# Altium PCB PLD.PcbDoc (part 1 of 2)
Units mil, origin at the board's own origin, x right, y up, seen from the top; angles counter-clockwise.
Board outline 3553.1 x 3718.04 mil, 2 copper layers (Component Side, Bottom Layer), stack 61.8 mil thick; 154 components, 152 nets, 633 pads, 368 vias.
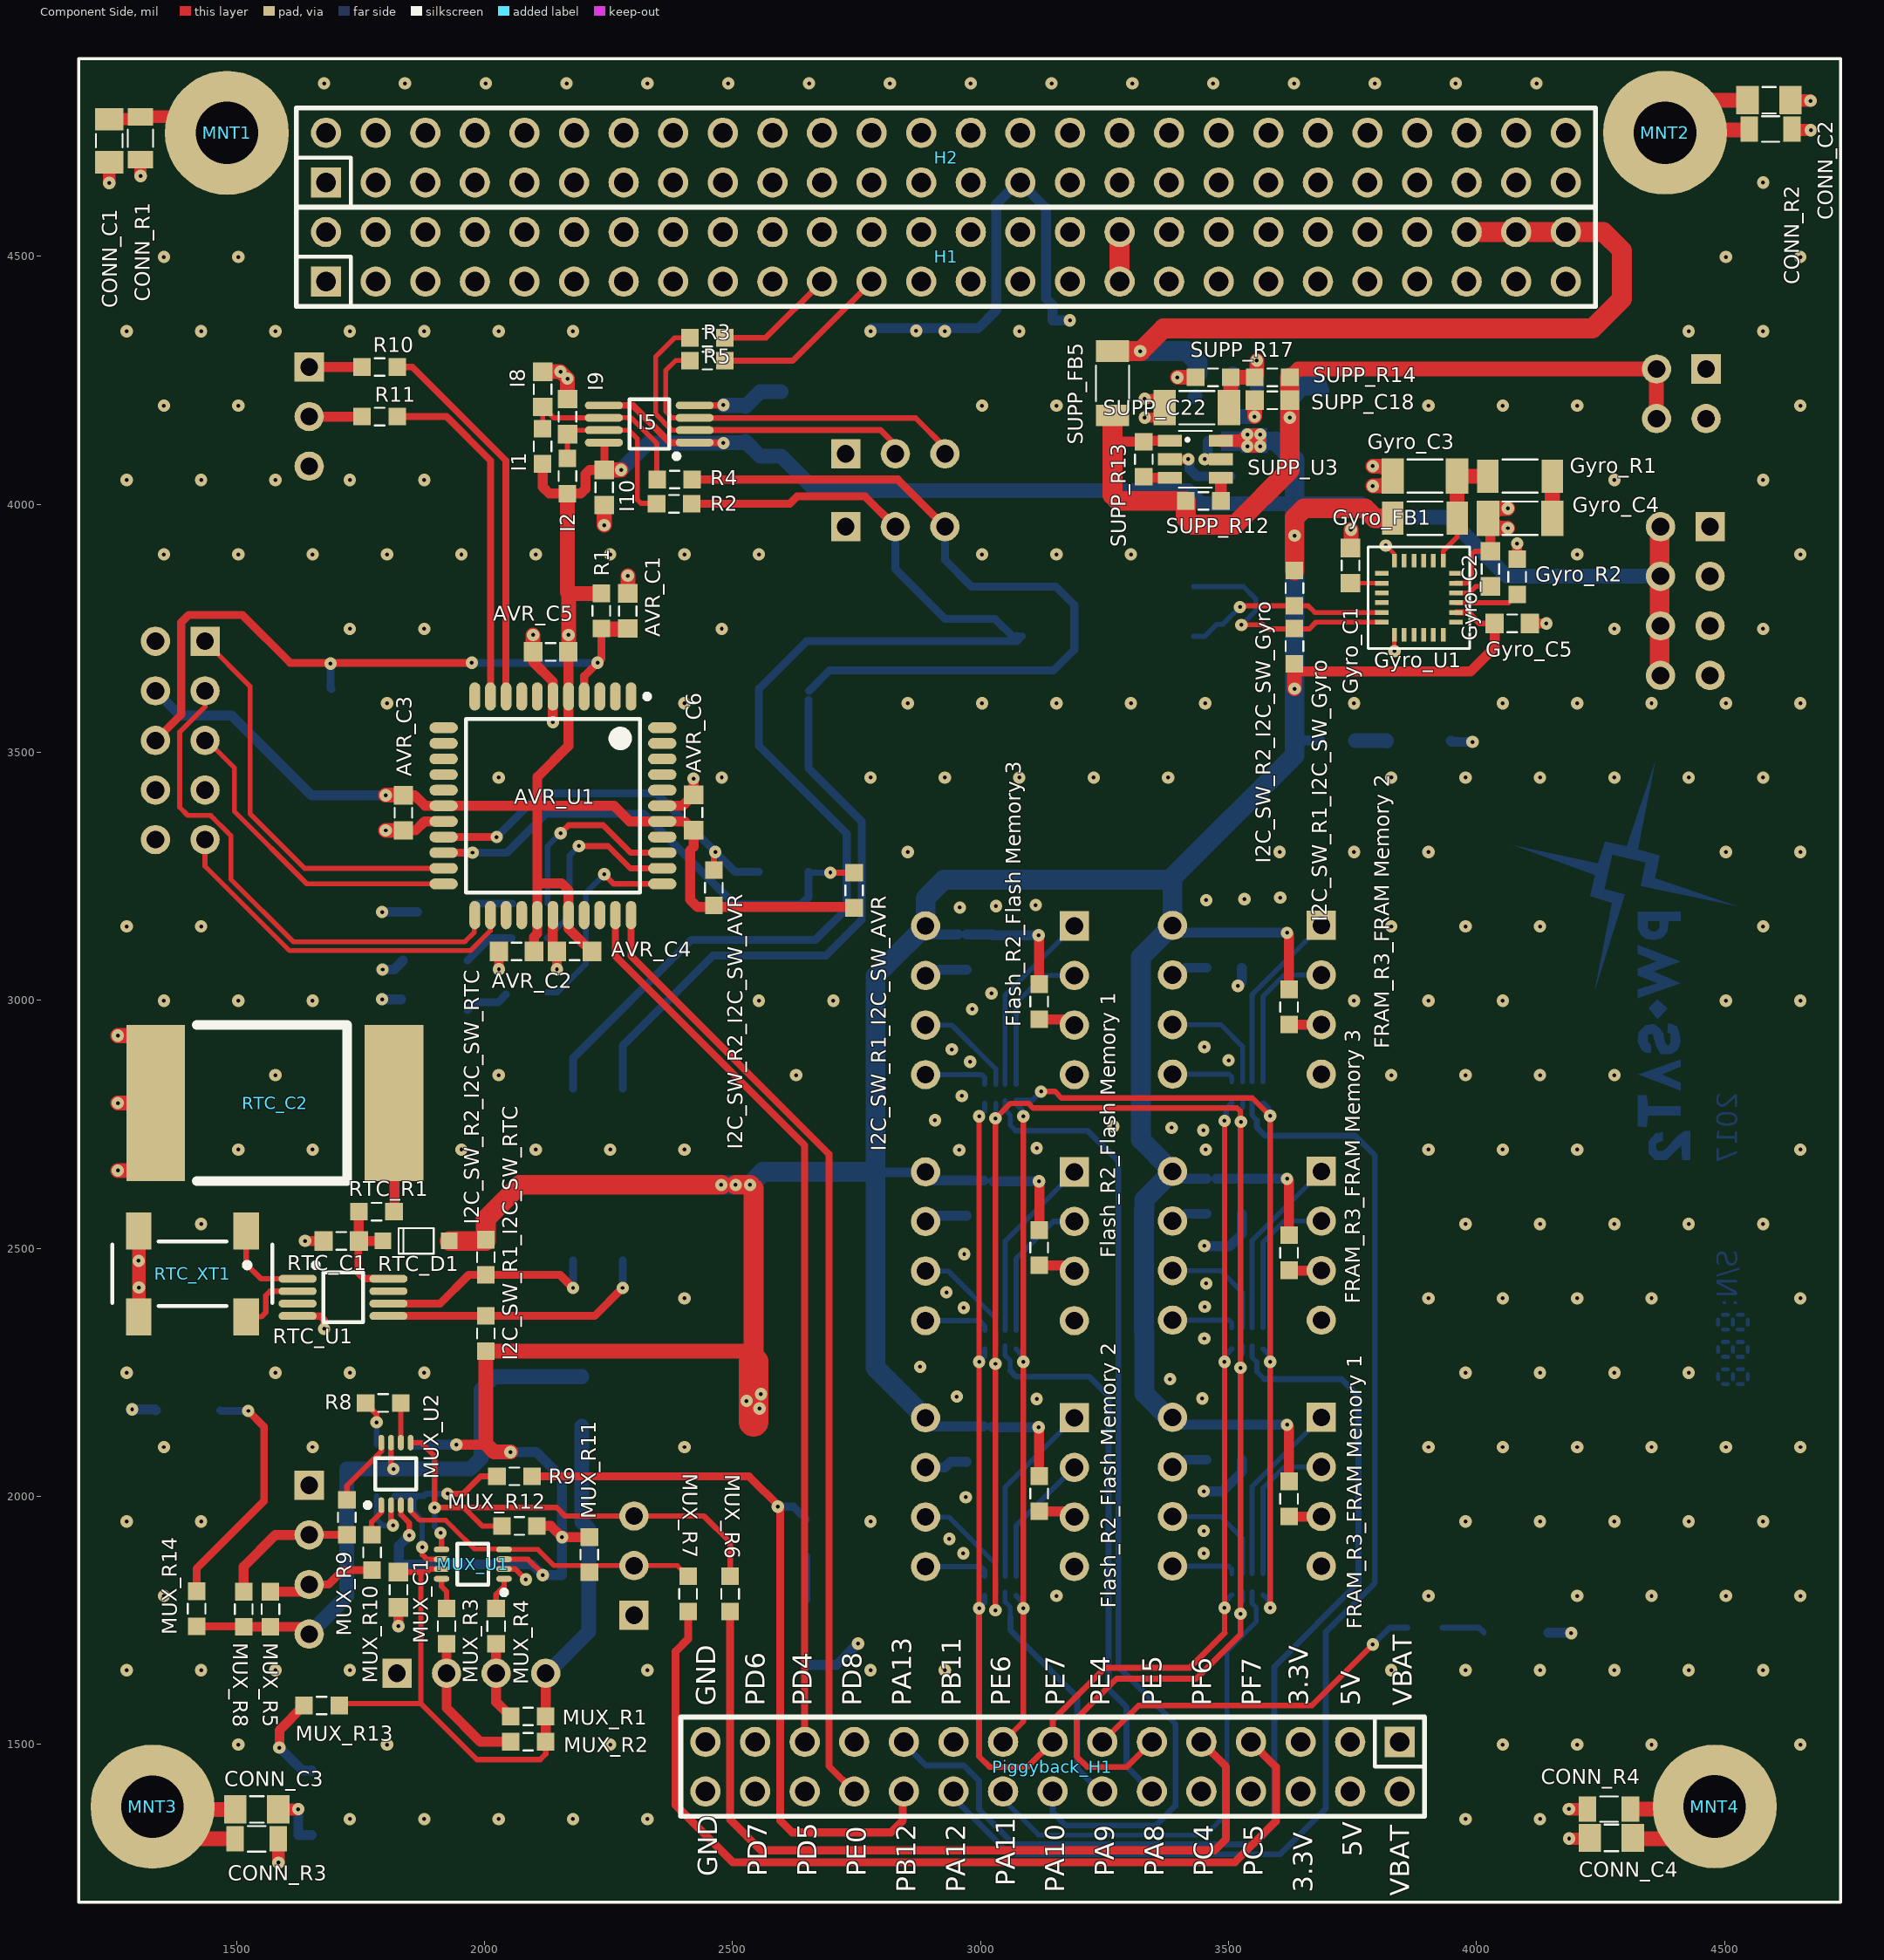
[diagram p0: Component Side view]
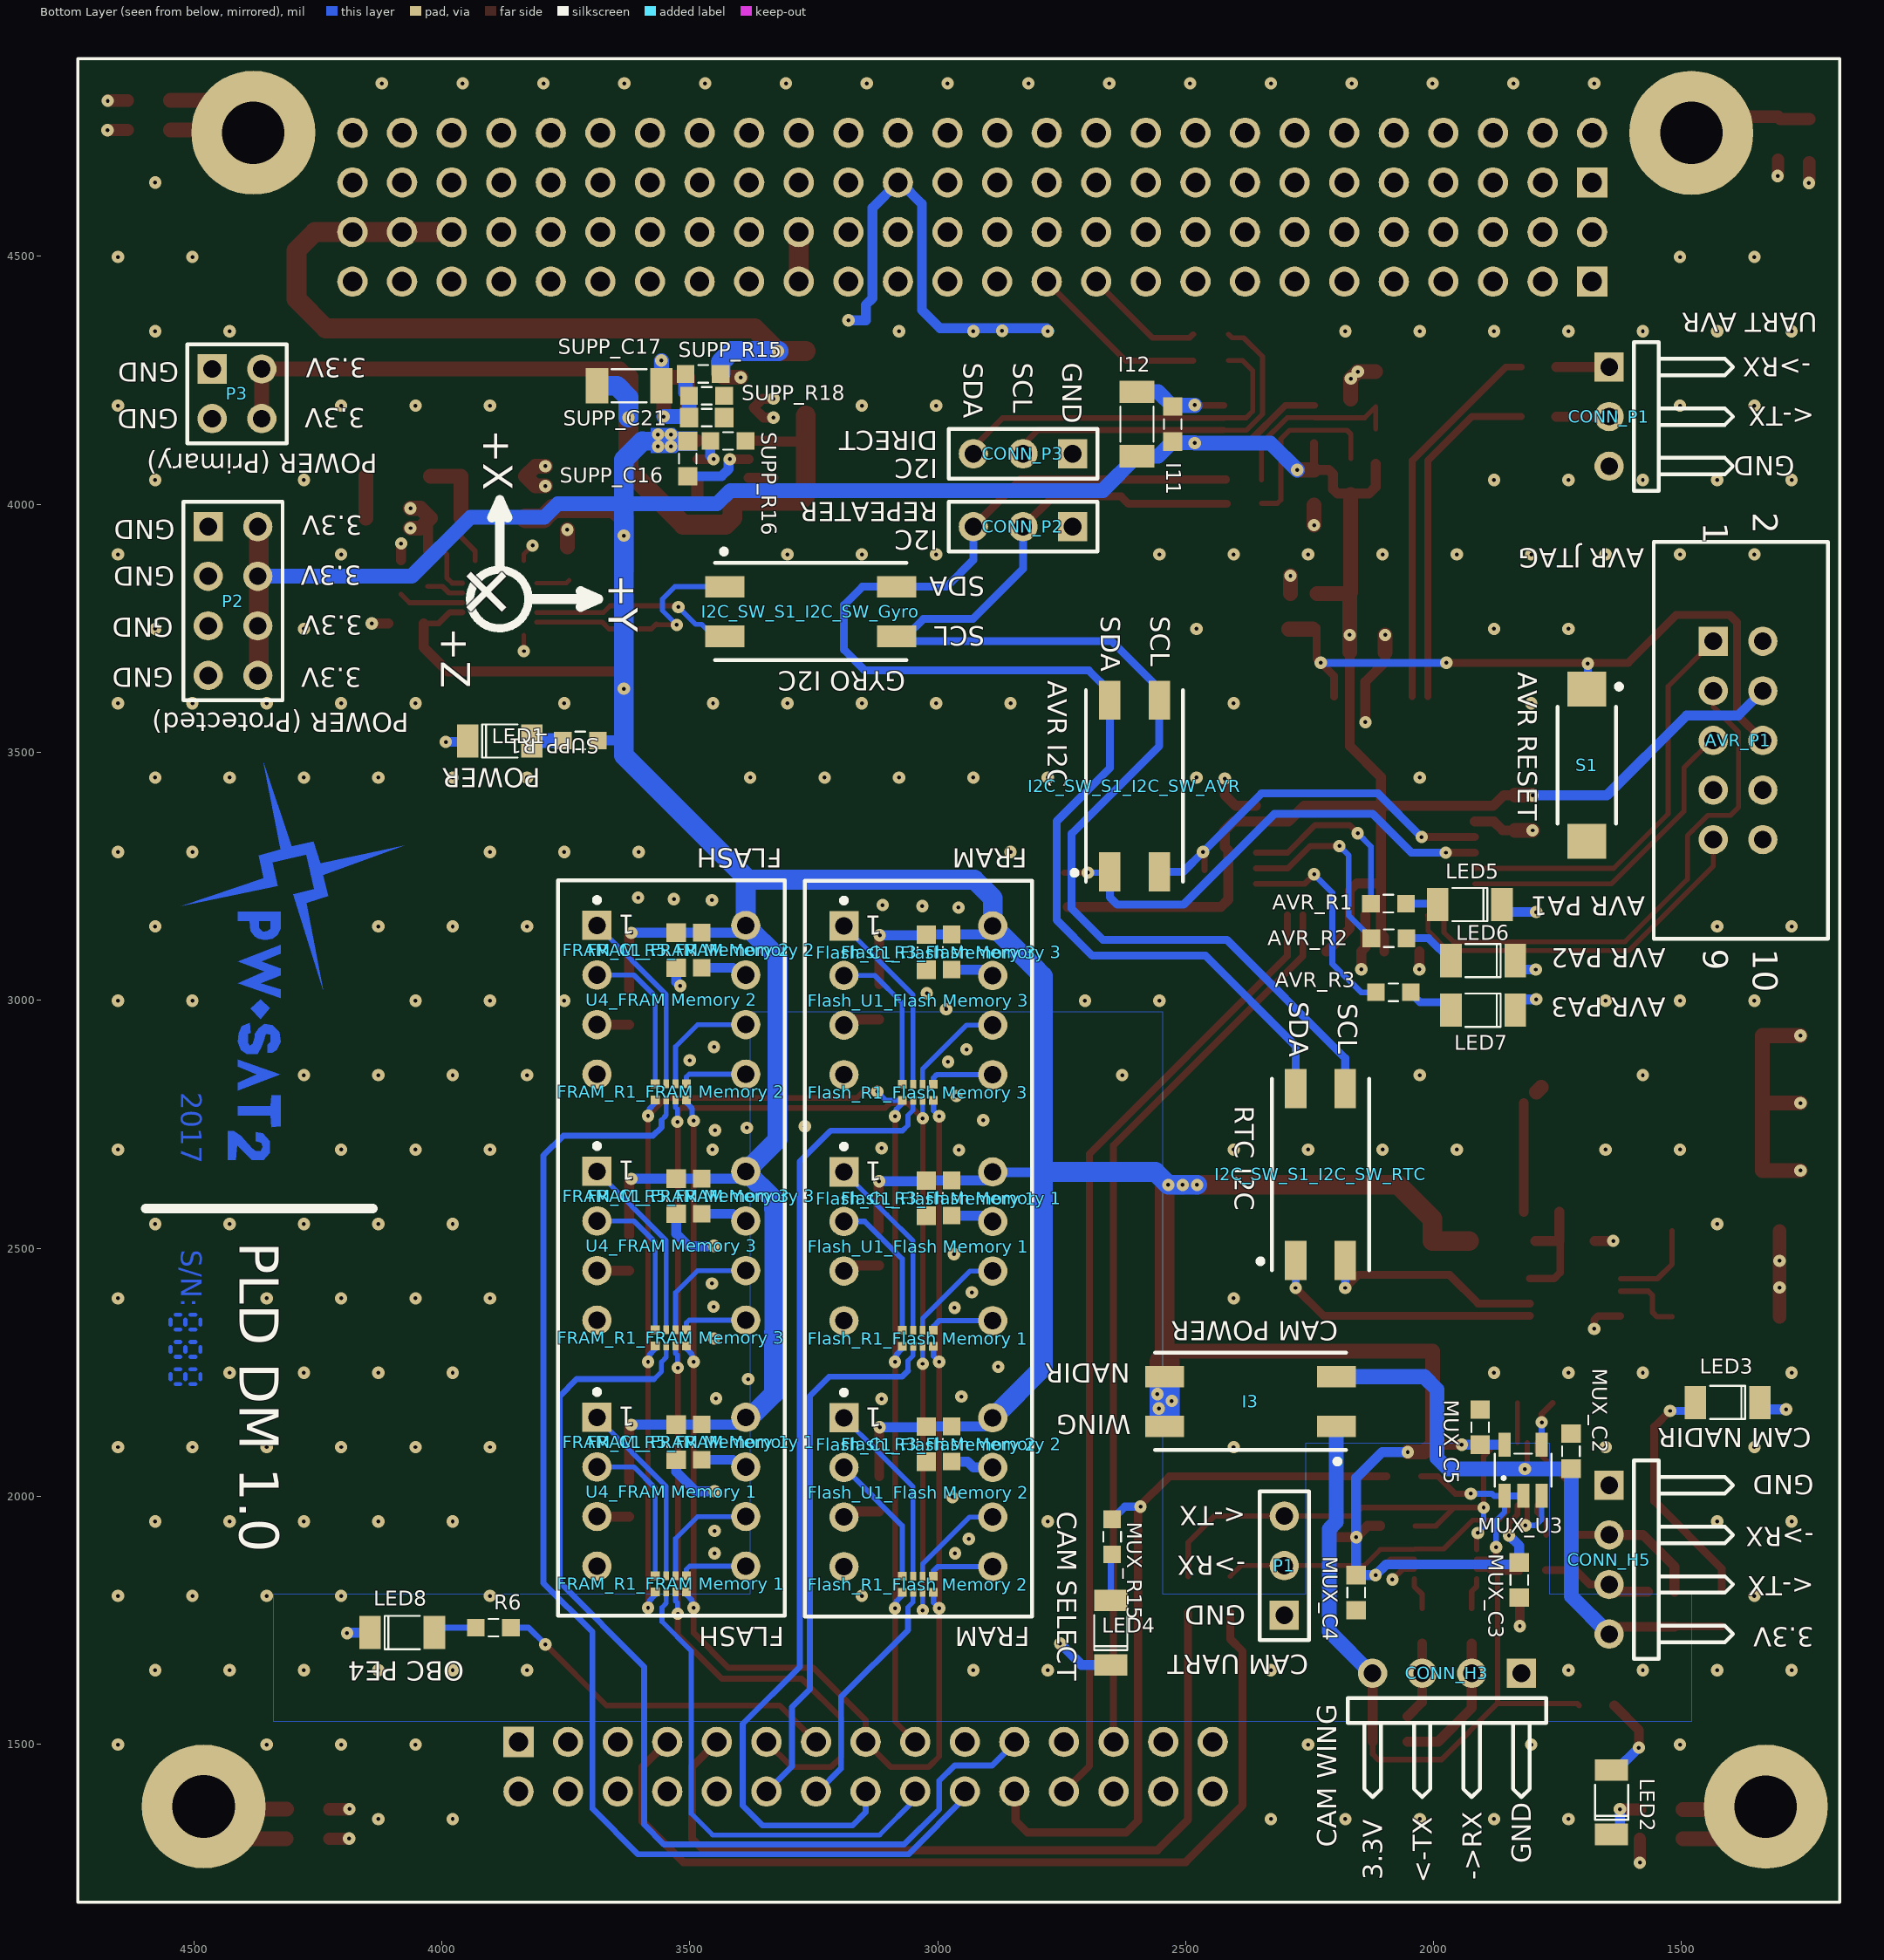
[diagram p1: Bottom Layer view, seen from below]

## Layer stack, top to bottom
Top Solder: solder mask 0.4, Solder Resist, Dk 3.5
Component Side: signal copper 1.4
Dielectric 1: core 59, FR-4, Dk 4.2
Bottom Layer: signal copper 1.4
Solder Side: solder mask 0.4, Solder Resist, Dk 3.5

## Board outline
1181.1,1181.1 4734.2,1181 4734.2,4899.02 1181.1,4899.04

## Design rules (kind name [scope] priority, off if disabled: settings)
Clearance Clearance_Polygon [InPolygon] p1: gap=20 ignorepadtopadclearanceinfootprint=FALSE except(0: Arc-Hole Track-Hole SMDPad-Hole THPad-Hole Via-Hole Fill-Hole Poly-Hole Region-Hole Text-Hole)
Clearance Vref_GND [InNet('NetADC_J2_2') vs InNet('RF_AGND')] p2: gap=0 ignorepadtopadclearanceinfootprint=FALSE
Clearance "Dense footprint" [HasFootprint('SMD_RESISTOR_ARRAY_YC124')  Or HasFootprint('MSOP-8') Or HasFootprint('VSSOP-8') Or HasFootprint('TSSOP14') Or HasFootprint('MSOP-10-M-thermal-pad') vs IsPad] p3: gap=6 ignorepadtopadclearanceinfootprint=FALSE except(0: Arc-Hole Track-Hole SMDPad-Hole THPad-Hole Via-Hole Fill-Hole Poly-Hole Region-Hole Text-Hole)
Clearance [All] p4: gap=8 ignorepadtopadclearanceinfootprint=FALSE except(0: Arc-Hole Track-Hole SMDPad-Hole THPad-Hole Via-Hole Fill-Hole Poly-Hole Region-Hole Text-Hole)
ComponentClearance [All] p1: gap=0.39 collisioncheckmode=3 verticalgap=0 showdistances=TRUE
HoleSize [All] p1: absolutevalues=TRUE maxlimit=137.8 minlimit=1 maxpercent=80.000 minpercent=20.000
MinimumSolderMaskSliver [All] p1 off: minsoldermaskwidth=10
PlaneConnect [All] p1: planeconnectstyle=Direct reliefexpansion=20 reliefentries=4 reliefconductorwidth=10 reliefairgap=10
PolygonConnect PolygonConnect_Vias [IsVia] p1: connectstyle=Direct reliefconductorwidth=12 reliefentries=4 polygonreliefangle="90 Angle" airgapwidth=10
PolygonConnect [All] p2: connectstyle=Relief reliefconductorwidth=12 reliefentries=4 polygonreliefangle="90 Angle" airgapwidth=10
RoomDefinition "FRAM Memory 2" [InComponentClass('FRAM Memory 2')] p1: confinementstyle=ConfineIn formatcopy=TRUE lockcomponents=FALSE outline 3828,2738 3273,2738 3273,3234 3828,3234
RoomDefinition "Flash Memory 3" [InComponentClass('Flash Memory 3')] p2: confinementstyle=ConfineIn formatcopy=TRUE lockcomponents=FALSE outline 3273,3234 3273,2738 2814,2738 2814,3234
RoomDefinition "FRAM Memory 3" [InComponentClass('FRAM Memory 3')] p3: confinementstyle=ConfineIn formatcopy=TRUE lockcomponents=FALSE outline 3828,2242 3273,2242 3273,2738 3828,2738
RoomDefinition "FRAM Memory 1" [InComponentClass('FRAM Memory 1')] p4: confinementstyle=ConfineIn formatcopy=TRUE lockcomponents=FALSE outline 3828,1746 3273,1746 3273,2242 3828,2242
RoomDefinition "Flash Memory 2" [InComponentClass('Flash Memory 2')] p5: confinementstyle=ConfineIn formatcopy=TRUE lockcomponents=FALSE outline 3273,2242 3273,1746 2814,1746 2814,2242
RoomDefinition "Flash Memory 1" [InComponentClass('Flash Memory 1')] p6: confinementstyle=ConfineIn formatcopy=TRUE lockcomponents=FALSE outline 3273,2738 3273,2242 2814,2242 2814,2738
RoomDefinition RTC [InComponentClass('RTC')] p7: confinementstyle=ConfineIn formatcopy=TRUE lockcomponents=FALSE outline 2000.7,3006.77 1194.57,3006.77 1194.57,2281.77 2000.7,2281.77
RoomDefinition "Piggyback Connector" [InComponentClass('Piggyback Connector')] p8: confinementstyle=ConfineIn formatcopy=TRUE lockcomponents=FALSE outline 2362.4,1337.4 3912.4,1337.4 3912.4,1562.4 2362.4,1562.4
RoomDefinition "PC-104 Stack Connector" [InComponentClass('PC-104 Stack Connector')] p9: confinementstyle=ConfineIn formatcopy=TRUE lockcomponents=FALSE outline 1592.4,4382.4 4252.4,4382.4 4252.4,4822.4 1592.4,4822.4
RoutingVias [All] p1: holewidth=7.87 width=25 viastyle="Through Hole" minholewidth=7.87 minwidth=25 maxholewidth=7.87 maxwidth=25
SolderMaskExpansion [All] p1: expansion=4
Width [All] p1: maxlimit=200 minlimit=8 preferedwidth=10
26 further rules are at their usual default settings.

## Classes and differential pairs
component class "PLD Top": LED8 R6
channel class PLD_I2C_Switch: I2C_SW_AVR I2C_SW_Gyro I2C_SW_RTC
component class I2C_SW_RTC: I2C_SW_R1_I2C_SW_RTC I2C_SW_R2_I2C_SW_RTC I2C_SW_S1_I2C_SW_RTC
component class I2C_SW_Gyro: I2C_SW_R1_I2C_SW_Gyro I2C_SW_R2_I2C_SW_Gyro I2C_SW_S1_I2C_SW_Gyro
component class I2C_SW_AVR: I2C_SW_R1_I2C_SW_AVR I2C_SW_R2_I2C_SW_AVR I2C_SW_S1_I2C_SW_AVR
component class Gyroscopes: Gyro_C1 Gyro_C2 Gyro_C3 Gyro_C4 Gyro_C5 Gyro_FB1 Gyro_R1 Gyro_R2 Gyro_U1
component class "UART-Buffer&MUX for CAMs": I3 LED2 LED3 LED4 MUX_C1 MUX_C2 MUX_C3 MUX_C4 MUX_C5 MUX_R1 MUX_R2 MUX_R3 MUX_R4 MUX_R5 MUX_R6 MUX_R7 MUX_R8 MUX_R9 MUX_R10 MUX_R11 MUX_R12 MUX_R13 MUX_R14 MUX_R15 MUX_U1 MUX_U2 MUX_U3 P1 R8 R9
component class "I2C Repeater for RTC + Gyro": CONN_P2 CONN_P3 I1 "I1_I2C Repeater for SENS4" I2 "I2_I2C Repeater for SENS4" I5 "I5_I2C Repeater for SENS4" I8 "I8_I2C Repeater for SENS4" I9 "I9_I2C Repeater for SENS4" I10 "I10_I2C Repeater for SENS4" I11 "I11_I2C Repeater for SENS4" I12 "I12_I2C Repeater for SENS4" "IIC_R1_I2C Repeater for SENS4" R2 R3 R4 R5
component class "FRAM Memory 1": "FRAM_C1_FRAM Memory 1" "FRAM_R1_FRAM Memory 1" "FRAM_R3_FRAM Memory 1" "FRAM_R5_FRAM Memory 1" "U4_FRAM Memory 1"
component class "AVR interface": AVR_C1 AVR_C2 AVR_C3 AVR_C4 AVR_C5 AVR_C6 AVR_P1 AVR_R1 AVR_R2 AVR_R3 AVR_U1 LED5 LED6 LED7 R1 R10 R11 S1
component class "Flash Memory 3": "Flash_C1_Flash Memory 3" "Flash_R1_Flash Memory 3" "Flash_R2_Flash Memory 3" "Flash_R3_Flash Memory 3" "Flash_U1_Flash Memory 3"
component class "Local Supply": LED1 SUPP_C16 SUPP_C17 SUPP_C18 SUPP_C21 SUPP_C22 SUPP_FB5 SUPP_R1 SUPP_R12 SUPP_R13 SUPP_R14 SUPP_R15 SUPP_R16 SUPP_R17 SUPP_R18 SUPP_U3
component class "PC-104 Stack Connector": H1 H2
component class "Piggyback Connector": Piggyback_H1
component class PLD_Connectors: CONN_C1 CONN_C2 CONN_C3 CONN_C4 CONN_H3 CONN_H5 CONN_P1 CONN_R1 CONN_R2 CONN_R3 CONN_R4 MNT1 MNT2 MNT3 MNT4 P2 P3
component class RTC: RTC_C1 RTC_C2 RTC_D1 RTC_R1 RTC_U1 RTC_XT1
component class "Flash Memory 1": "Flash_C1_Flash Memory 1" "Flash_R1_Flash Memory 1" "Flash_R2_Flash Memory 1" "Flash_R3_Flash Memory 1" "Flash_U1_Flash Memory 1"
component class "Flash Memory 2": "Flash_C1_Flash Memory 2" "Flash_R1_Flash Memory 2" "Flash_R2_Flash Memory 2" "Flash_R3_Flash Memory 2" "Flash_U1_Flash Memory 2"
component class "FRAM Memory 2": "FRAM_C1_FRAM Memory 2" "FRAM_R1_FRAM Memory 2" "FRAM_R3_FRAM Memory 2" "FRAM_R5_FRAM Memory 2" "U4_FRAM Memory 2"
component class "FRAM Memory 3": "FRAM_C1_FRAM Memory 3" "FRAM_R1_FRAM Memory 3" "FRAM_R3_FRAM Memory 3" "FRAM_R5_FRAM Memory 3" "U4_FRAM Memory 3"
channel class PLD_Flash-Memory: "Flash Memory 1" "Flash Memory 2" "Flash Memory 3"
channel class PLD_FRAM-Memory: "FRAM Memory 1" "FRAM Memory 2" "FRAM Memory 3"

## Components (designator, comment, footprint, x,y, rotation, side; value= is the part's Value field where it differs from the comment)
AVR_C1 "100n/50V" SMD_Capacitor_0603 2288.57,3784.97 r90 top
AVR_C2 "100n/50V" SMD_Capacitor_0603 2064.03,3098.57 r180 top
AVR_C3 "100n/50V" SMD_Capacitor_0603 1836,3378 r270 top
AVR_C4 "100n/50V" SMD_Capacitor_0603 2181.03,3098.57 r180 top
AVR_C5 "100n/50V" SMD_Capacitor_0603 2133.03,3702.57 r180 top
AVR_C6 "100n/50V" SMD_Capacitor_0603 2421.03,3378.57 r90 top
AVR_P1 "ISP" IDC-10-Male-Socket 1436,3724 r270 bottom
AVR_R1 "1k/1%" SMD_Resistor_0603 2091,3195 r180 bottom
AVR_R2 "1k/1%" SMD_Resistor_0603 2090,3125 r180 bottom
AVR_R3 "1k/1%" SMD_Resistor_0603 2081,3016 r180 bottom
AVR_U1 "ATMEGA164PV-10AQ" TQFP-44 2137.35,3392.54 r270 top
CONN_C1 "100n/100V" SMD_Capacitor_0805 1242.67,4733.38 r90 top
CONN_C2 "100n/100V" SMD_Capacitor_0805 4590,4815 r180 top
CONN_C3 "100n/100V" SMD_Capacitor_0805 1540.4,1368.4 r0 top
CONN_C4 "100n/100V" SMD_Capacitor_0805 4272,1311 r180 top
CONN_H3 "CAMwing" "HEADER 1X4H Male" 1823,1643 r0 bottom
CONN_H5 "CAMnadir" "HEADER 1X4H Male" 1646,2022 r270 bottom
CONN_P1 "Header 3" "HEADER1X3H Male" 1646,4277 r270 bottom
CONN_P2 "Header 3" "HEADER 1X3 MALE" 2728,3955 r0 bottom
CONN_P3 "Header 3" "HEADER 1X3 MALE" 2728,4102 r0 bottom
CONN_R1 "1k/1%" SMD_Resistor_0805 1305.59,4738.3 r90 top
CONN_R2 "1k/1%" SMD_Resistor_0805 4593,4757 r180 top
CONN_R3 "1k/1%" SMD_Resistor_0805 1540,1309 r0 top
CONN_R4 "1k/1%" SMD_Resistor_0805 4267,1369 r180 top
"Flash_C1_Flash Memory 1" "100n/50V" SMD_Capacitor_0603 3023,2601 r90 bottom (schematic designator Flash_C1)
"Flash_C1_Flash Memory 2" "100n/50V" SMD_Capacitor_0603 3023,2105 r90 bottom (schematic designator Flash_C1)
"Flash_C1_Flash Memory 3" "100n/50V" SMD_Capacitor_0603 3023,3097 r90 bottom (schematic designator Flash_C1)
"Flash_R1_Flash Memory 1" "100R" SMD_RESISTOR_ARRAY_YC124 3008.5,2302 r0 bottom (schematic designator Flash_R1)
"Flash_R1_Flash Memory 2" "100R" SMD_RESISTOR_ARRAY_YC124 3008.5,1806 r0 bottom (schematic designator Flash_R1)
"Flash_R1_Flash Memory 3" "100R" SMD_RESISTOR_ARRAY_YC124 3008.49,2798 r0 bottom (schematic designator Flash_R1)
"Flash_R2_Flash Memory 1" "2.2k/1%" SMD_Resistor_0603 3118,2501 r90 top (schematic designator Flash_R2)
"Flash_R2_Flash Memory 2" "2.2k/1%" SMD_Resistor_0603 3118,2005 r90 top (schematic designator Flash_R2)
"Flash_R2_Flash Memory 3" "2.2k/1%" SMD_Resistor_0603 3118,2997 r90 top (schematic designator Flash_R2)
"Flash_R3_Flash Memory 1" "2.2k/1%" SMD_Resistor_0603 2972,2601.24 r90 bottom (schematic designator Flash_R3)
"Flash_R3_Flash Memory 2" "2.2k/1%" SMD_Resistor_0603 2972,2105.24 r90 bottom (schematic designator Flash_R3)
"Flash_R3_Flash Memory 3" "2.2k/1%" SMD_Resistor_0603 2972,3097.24 r90 bottom (schematic designator Flash_R3)
"Flash_U1_Flash Memory 1" "Value" "DIP8 ADAPTER" 3042,2493 r180 bottom (schematic designator Flash_U1)
"Flash_U1_Flash Memory 2" "Value" "DIP8 ADAPTER" 3042,1997 r180 bottom (schematic designator Flash_U1)
"Flash_U1_Flash Memory 3" "Value" "DIP8 ADAPTER" 3042,2989 r180 bottom (schematic designator Flash_U1)
"FRAM_C1_FRAM Memory 1" "100n/50V" SMD_Capacitor_0603 3527,2109 r90 bottom (schematic designator FRAM_C1)
"FRAM_C1_FRAM Memory 2" "100n/50V" SMD_Capacitor_0603 3527,3101 r90 bottom (schematic designator FRAM_C1)
"FRAM_C1_FRAM Memory 3" "100n/50V" SMD_Capacitor_0603 3527,2605 r90 bottom (schematic designator FRAM_C1)
"FRAM_R1_FRAM Memory 1" "100R" SMD_RESISTOR_ARRAY_YC124 3506.5,1807 r0 bottom (schematic designator FRAM_R1)
"FRAM_R1_FRAM Memory 2" "100R" SMD_RESISTOR_ARRAY_YC124 3506.5,2799 r0 bottom (schematic designator FRAM_R1)
"FRAM_R1_FRAM Memory 3" "100R" SMD_RESISTOR_ARRAY_YC124 3506.5,2303 r0 bottom (schematic designator FRAM_R1)
"FRAM_R3_FRAM Memory 1" "2.2k" SMD_Resistor_0603 3622,1994.43 r90 top (schematic designator FRAM_R3)
"FRAM_R3_FRAM Memory 2" "2.2k" SMD_Resistor_0603 3622,2986.43 r90 top (schematic designator FRAM_R3)
"FRAM_R3_FRAM Memory 3" "2.2k" SMD_Resistor_0603 3622,2491 r90 top (schematic designator FRAM_R3)
"FRAM_R5_FRAM Memory 1" "2.2k" SMD_Resistor_0603 3476,2109 r90 bottom (schematic designator FRAM_R5)
"FRAM_R5_FRAM Memory 2" "2.2k" SMD_Resistor_0603 3476,3101 r90 bottom (schematic designator FRAM_R5)
"FRAM_R5_FRAM Memory 3" "2.2k" SMD_Resistor_0603 3476,2605 r90 bottom (schematic designator FRAM_R5)
Gyro_C1 "2.2nF/50V" SMD_Capacitor_0603 3746,3876.54 r90 top
Gyro_C2 "0.1uF/50V" SMD_Capacitor_0603 4028,3870 r90 top
Gyro_C3 "10u/25V" SMD_Capacitor_1206 3896,4057 r180 top
Gyro_C4 "10u/25V" SMD_Capacitor_1206 4088,3972 r180 top
Gyro_C5 "10nF/50V" SMD_Capacitor_0603 4072,3760 r0 top
Gyro_FB1 "120R/100MHz" SMD_FerriteBead_1206 3896,3972 r0 top
Gyro_R1 "0.22R/1%" SMD_Resistor_1206 4088,4057 r180 top
Gyro_R2 "10k" SMD_Resistor_0603 4082,3854 r90 top
Gyro_U1 "ITG3200" QFN24_4x4 3883.65,3811.57 r90 top
H1 "Samtec Header SSQ-126-21-G-D" Samtec_SSQ-126-21-G-D 1680.18,4449.15 r0 top locked
H2 "Samtec Header SSQ-126-21-G-D" Samtec_SSQ-126-21-G-D 1680.16,4649.15 r0 top locked
I1 "4.7k/1%" SMD_Resistor_0603 2116.85,4117.07 r90 top
I2 "4.7k/1%" SMD_Resistor_0603 2166.85,4057.07 r90 top
I2C_SW_R1_I2C_SW_AVR "Res" SMD_Resistor_0603 2745,3222 r90 top (schematic designator I2C_SW_R1)
I2C_SW_R1_I2C_SW_Gyro "Res" SMD_Resistor_0603 3633,3714 r90 top (schematic designator I2C_SW_R1)
I2C_SW_R1_I2C_SW_RTC "Res" SMD_Resistor_0603 2002.13,2327.98 r90 top (schematic designator I2C_SW_R1)
I2C_SW_R2_I2C_SW_AVR "Res" SMD_Resistor_0603 2462,3227 r90 top (schematic designator I2C_SW_R2)
I2C_SW_R2_I2C_SW_Gyro "Res" SMD_Resistor_0603 3633,3831 r270 top (schematic designator I2C_SW_R2)
I2C_SW_R2_I2C_SW_RTC "Res" SMD_Resistor_0603 2002.13,2481.77 r270 top (schematic designator I2C_SW_R2)
I2C_SW_S1_I2C_SW_AVR "MCEPM-02" MCEPM-02 2603,3432 r90 bottom (schematic designator I2C_SW_S1)
I2C_SW_S1_I2C_SW_Gyro "MCEPM-02" MCEPM-02 3256,3784 r180 bottom (schematic designator I2C_SW_S1)
I2C_SW_S1_I2C_SW_RTC "MCEPM-02" MCEPM-02 2228.13,2648.77 r90 bottom (schematic designator I2C_SW_S1)
I3 "MCEPM-02" MCEPM-02 2369,2191 r0 bottom
I5 "PCA9517" TSSOP8_L 2331.85,4212.07 r180 top
I8 "10p/50V" SMD_Capacitor_0603 2116.85,4232.07 r90 top
I9 "10p/50V" SMD_Capacitor_0603 2166.85,4177.07 r90 top
I10 "100n/50V" SMD_Capacitor_0603 2241,4034 r90 top
I11 "100n/50V" SMD_Capacitor_0603 2526,4162 r270 bottom
I12 "1u/25V" SMD_Capacitor_1206 2598,4162 r270 bottom
LED1 "POWER" SMD_LED_1206 3883.04,3523 r0 bottom
LED2 "CAMwing" SMD_LED_1206 1641,1383 r270 bottom
LED3 "CAMnadir" SMD_LED_1206 1407,2189 r180 bottom
LED4 "CAM SELECT" SMD_LED_1206 2651,1725 r270 bottom
LED5 "AVR PA1" SMD_LED_1206 1927,3193 r180 bottom
LED6 "AVR PA2" SMD_LED_1206 1900,3080 r180 bottom
LED7 "AVR PA3" SMD_LED_1206 1900,2980 r180 bottom
LED8 "OBC PE4" SMD_LED_1206 4080,1725 r0 bottom
MNT1 "Mounting Hole" PC-104_PcbMntHole_M3 1480.16,4749.15 r0 top locked
MNT2 "Mounting Hole" PC-104_PcbMntHole_M3 4380.22,4749.43 r0 top locked
MNT3 "Mounting Hole" PC-104_PcbMntHole_M3 1330.16,1373.98 r0 top locked